# Altium PCB PCB1.PcbDoc (continued)
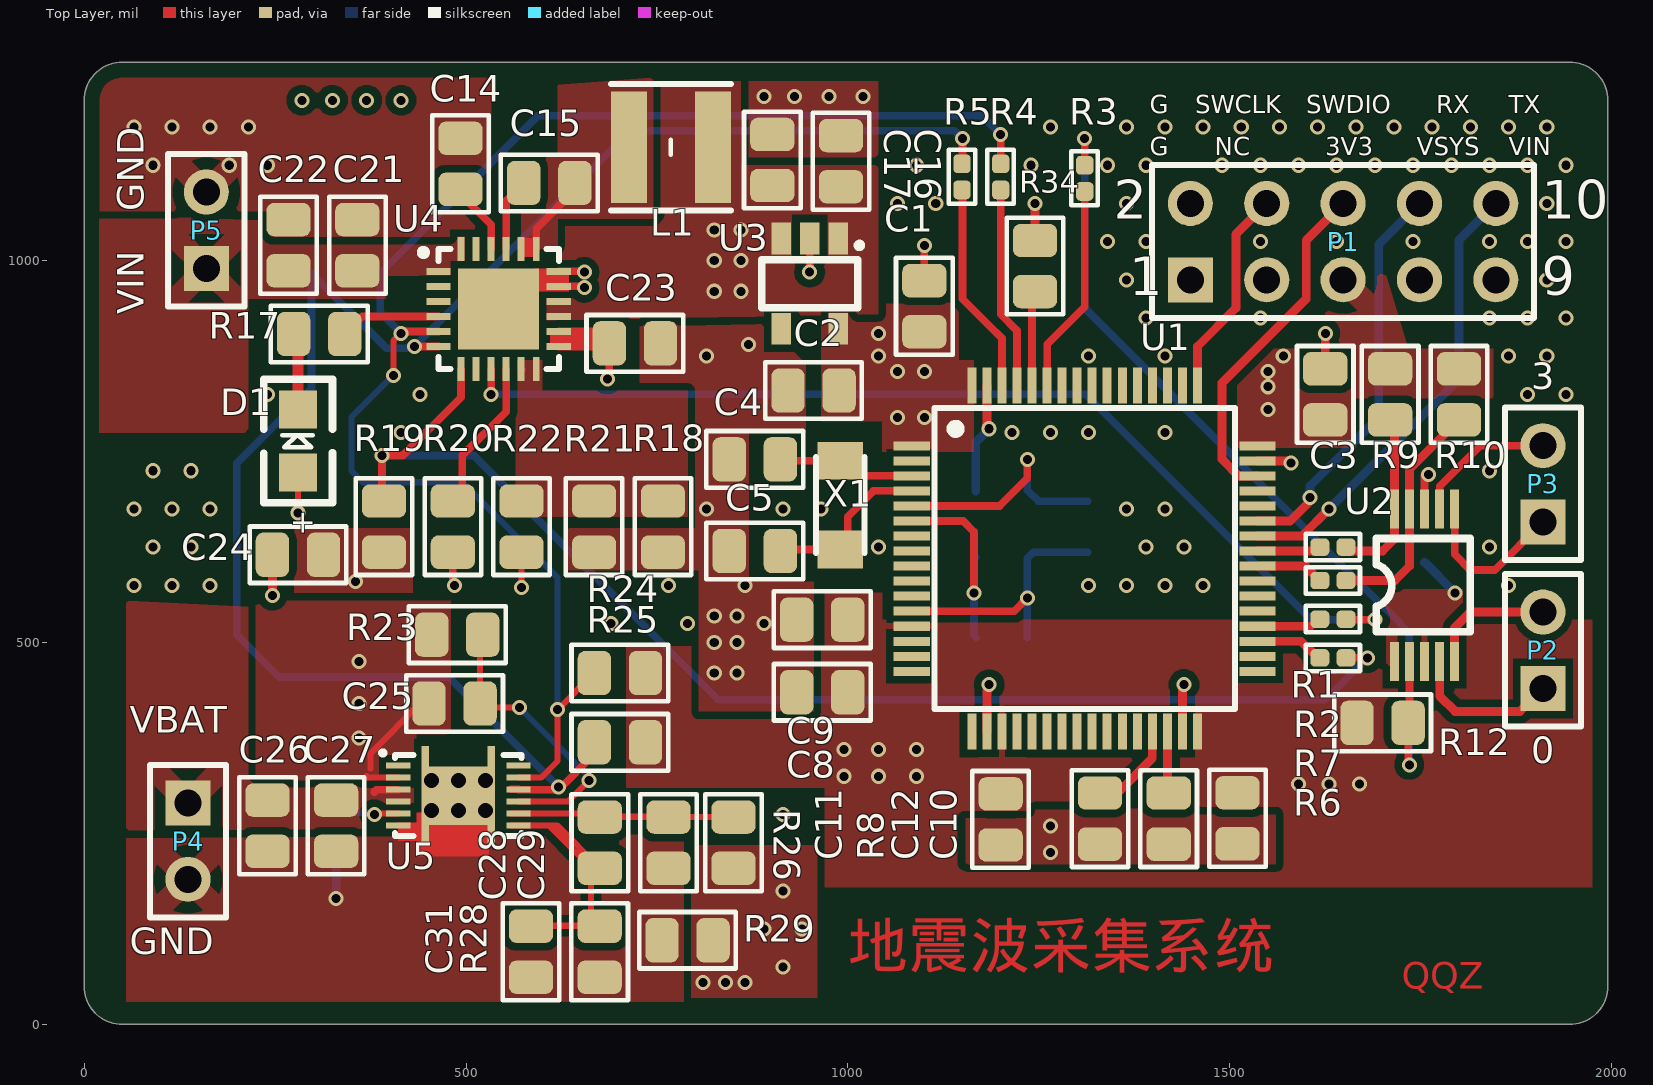
[diagram p0: Top Layer view]
## Components (designator, comment, footprint, x,y, rotation, side; value= is the part's Value field where it differs from the comment)
C1 "100nF" C0805_200X125X140L50N 1100.03,940.4 r270 top
C2 "100nF" C0805_200X125X140L50N 955,830.03 r0 top
C3 "100nF" C0805_200X125X140L50N 1625,825 r90 top
C4 "9pF" C0805_200X125X140L50N 878.17,740 r0 top
C5 "9pF" C0805_200X125X140L50N 878.17,620 r0 top
C6 "9pF" C0805_200X125X140L50N 1313.92,651.54 r90 bottom
C7 "9pF" C0805_200X125X140L50N 1201.54,506.42 r180 bottom
C8 "1uF" C0805_200X125X140L50N 966.4,434.97 r0 top
C9 "100nF" C0805_200X125X140L50N 966.4,529.97 r180 top
C10 "100nF" C0805_200X125X140L50N 1510.05,270 r90 top
C11 "100nF" C0805_200X125X140L50N 1200,268.46 r90 top
C12 "4.7uF" C0805_200X125X140L50N 1420.03,269.6 r90 top
C13 "100nF" C0805_200X125X140L50N 1755,638.46 r90 bottom
C14 "4.7uF" C0805_200X125X140L50N 492.7,1126.89 r270 top
C15 "47nF" C0805_200X125X140L50N 609.11,1101.89 r180 top
C16 "10uF" C0805_200X125X140L50N 991.03,1130.35 r270 top
C17 "10uF" C0805_200X125X140L50N 901,1131.89 r270 top
C20 "100nF" C0805_200X125X140L50N 337.7,1136.75 r0 bottom
C21 "10uF" C0805_200X125X140L50N 357.7,1020.35 r270 top
C22 "1uF" C0805_200X125X140L50N 267.68,1020.35 r270 top
C23 "10uF" C0805_200X125X140L50N 721.17,891.89 r180 top
C24 "100nF" C0805_200X125X140L50N 280,615 r0 top
C25 "470nF" C0805_200X125X140L50N 485,420.32 r180 top
C26 "100nF" C0805_200X125X140L50N 239.97,260.32 r90 top
C27 "100nF" C0805_200X125X140L50N 330,260.32 r90 top
C28 "100nF" C0805_200X125X140L50N 675.16,238.1 r90 top
C29 "100nF" C0805_200X125X140L50N 765.18,238.1 r90 top
C30 "470nF" C0805_200X125X140L50N 330,243.78 r90 bottom
C31 "100nF" C0805_200X125X140L50N 585,95.32 r90 top
D1 "LED" LED0805 280.2,722.7 r90 top
L1 "2.2uH功率电感4NR4018T2R2M" 4018 768.24,1148.49 r0 top
P1 "XH2.54 2x5" HDR2X5 1448.33,975 r0 top
P2 "排针/排母2P" HDR1X2 1910,440 r90 top
P3 "排针/排母2P" HDR1X2 1910,657.88 r90 top
P4 "排针/排母2P" HDR1X2 136.02,290 r270 top
P5 "排针/排母2P" HDR1X2 160,990 r90 top
R1 "0R" R0402_100X50X140L30N 1635,625 r0 top
R2 "0R" R0402_100X50X140L30N 1635,581.31 r0 top
R3 "0R" R0402_100X50X140L30N 1310,1107.87 r90 top
R4 "0R" R0402_100X50X140L30N 1200,1109.83 r90 top
R5 "0R" R0402_100X50X140L30N 1149.34,1109.83 r90 top
R6 "0R" R0402_100X50X140L30N 1635,480 r0 top
R7 "0R" R0402_100X50X140L30N 1635,530.66 r0 top
R8 "1k" R0805_200X125X140L50N 1330,269.6 r90 top
R9 "10k" R0805_200X125X140L50N 1710.03,825 r90 top
R10 "10k" R0805_200X125X140L50N 1800.05,825 r90 top
R12 "10k" R0805_200X125X140L50N 1700,395 r180 top
R15 "10k" R0805_200X125X140L50N 297.63,1016.89 r90 bottom
R16 "10k" R0805_200X125X140L50N 387.65,1016.89 r90 bottom
R17 "2.2k" R0805_200X125X140L50N 307.7,903.95 r0 top
R18 "10k" R0805_200X125X140L50N 757.73,651.89 r270 top
R19 "10k" R0805_200X125X140L50N 392.7,651.89 r270 top
R20 "0/200" R0805_200X125X140L50N 482.73,651.89 r270 top
R21 "31.6k" R0805_200X125X140L50N 667.7,651.89 r270 top
R22 "5.6k" R0805_200X125X140L50N 572.76,651.89 r270 top
R23 "10k" R0805_200X125X140L50N 488.46,510.34 r180 top
R24 "10k" R0805_200X125X140L50N 701.54,460.32 r0 top
R25 "10k" R0805_200X125X140L50N 701.54,369.5 r0 top
R26 "100R" R0805_200X125X140L50N 850.21,238.1 r90 top
R28 "100R" R0805_200X125X140L50N 675.03,95.32 r90 top
R29 "0.01R" R0805_200X125X140L50N 790,110.32 r180 top
R34 "100k" R0805_200X125X140L50N 1245,993.05 r90 top
U1 "STM32F401RCT6_LQFP64" "STM32F401RCT6 LQFP64" 1310,610 r270 top
U2 "ADS1115" VSSOP-10_L3.0-W3.0-P0.50-LS4.9-BL 1755,575 r0 top
U3 "TLV71330" SOT-23-5 950,970 r270 top
U4 "BQ24195" "BQ24195 PVQFN42" 542.7,936.89 r0 top
U5 "BQ27542" BQ27542-G1 490,299.68 r270 top
X1 "Seiko SC-32S32.768kHz20PPM9pF" "CRYSTAL SEIKO 32.768KHZ" 990,680 r90 top
X2 "8MHz 8pf 3225" "CRYSTAL YXC 32MHZ - 3225" 1201.83,655 r90 bottom

## Footprints (in the part's own frame and the unit in brackets; to place one, negate y for a bottom-side part, rotate by r counter-clockwise, add the part's x,y. Pads: shape width x height; smd on the part's side, far side on the other; paste and mask are expansions set on the pad)
4018 [mm] "功率电感Taiyo Yuden 4018 2.2nH 4*4*1.8mm"
  rect 1.2x3.7 smd: 1(-1.4,0) 2(1.4,0)
  silkscreen extent -2,-2.1 2,2.1
"BQ24195 PVQFN42" [mm] "TI Charger 4A 4*4mm"
  rect 2.7x2.7 smd: 0(0,0)
  rect 0.8x0.23 smd mask+0.07: 1(-2,1.25) 2(-2,0.75) 3(-2,0.25) 4(-2,-0.25) 5(-2,-0.75) 6(-2,-1.25) 13(2,-1.25) 14(2,-0.75) 15(2,-0.25) 16(2,0.25) 17(2,0.75) 18(2,1.25)
  rect 0.23x0.8 smd mask+0.07: 7(-1.25,-2) 8(-0.75,-2) 9(-0.25,-2) 10(0.25,-2) 11(0.75,-2) 12(1.25,-2) 19(1.25,2) 20(0.75,2) 21(0.25,2) 22(-0.25,2) 23(-0.75,2) 24(-1.25,2)
  silkscreen extent -2.59,-2 2,2
BQ27542-G1 [mm] "TI电量计"
  rect 0.675x0.25 smd mask+0.05: 0(-1.312,1.1) 0(-1.312,-1.1) 0(1.312,1.1) 0(1.312,-1.1)
  round 0.5 hole 0.5: 0(-0.5,0.9) 0(-0.5,0) 0(-0.5,-0.9) 0(0.5,0.9) 0(0.5,0) 0(0.5,-0.9)
  rect 1.95x2.45 smd mask+0.05: 0(0,0)
  rect 0.2x0.8 smd mask+0.05: 1(-1,-2) 2(-0.6,-2) 3(-0.2,-2) 4(0.2,-2) 5(0.6,-2) 6(1,-2) 7(1,2) 8(0.6,2) 9(0.2,2) 10(-0.2,2) 11(-0.6,2) 12(-1,2)
  silkscreen extent -1.45,-2.54 1.35,2.1
C0805_200X125X140L50N [mm] "Capacitor, Chip; 2.00 mm L X 1.25 mm W X 1.40 mm H body"
  rrect45% 1.11x1.47 smd: 1(-0.85,0) 2(0.85,0)
  silkscreen extent -1.61,-0.94 1.61,0.94, body extent -1.4,-0.62 1.4,0.63, height 0.8
"CRYSTAL SEIKO 32.768KHZ" [mm] "晶体 Seiko 32.768kHz 3.2*1.5mm 立创商城 7pF"
  rect 1.25x1.5 smd: 1(-1.475,0) 2(1.475,0)
  silkscreen extent -1.6,-0.8 1.6,0.8
"CRYSTAL YXC 32MHZ - 3225" [mm] "晶体 32MHZ 3.2*2.5mm 立创商城 10pF YSX321SL"
  rect 1.4x1.2 smd: 1(-1.1,-0.875) 2(1.1,-0.875) 3(1.1,0.875) 4(-1.1,0.875)
  silkscreen extent -2.38,-1.88 1.7,1.35
HDR1X2 [mm] "Connector; Header; 2 Position"
  rect 1.5x1.5 hole 0.9: 1(0,0)
  round 1.5 hole 0.9: 2(2.54,0)
  silkscreen extent -1.27,-1.27 3.81,1.27
HDR2X5 [mm] "Connector; Header; 5x2 Position"
  rect 1.5x1.5 hole 0.9: 1(0,0)
  round 1.5 hole 0.9: 2(0,2.54) 3(2.54,0) 4(2.54,2.54) 5(5.08,0) 6(5.08,2.54) 7(7.62,0) 8(7.62,2.54) 9(10.16,0) 10(10.16,2.54)
  silkscreen extent -1.27,-1.27 11.43,3.81
LED0805 [mil] "1/8W"
  rect 50x50 smd: 1(0,0) 2(82.3,0.2)
  silkscreen extent -40,-45 122,45, body extent 2,-25 80,25, height 20
R0402_100X50X140L30N [mm] "Resistor, Chip; 1.00 mm L X 0.50 mm W X 1.40 mm H body"
  rrect52% 0.63x0.58 smd: 1(-0.435,0) 2(0.435,0)
  silkscreen extent -0.9,-0.44 0.9,0.44, body extent -0.73,-0.25 0.73,0.25, height 0.51
R0805_200X125X140L50N [mm] "Resistor, Chip; 2.00 mm L X 1.25 mm W X 1.40 mm H body"
  rrect45% 1.11x1.47 smd: 1(-0.85,0) 2(0.85,0)
  silkscreen extent -1.61,-0.94 1.61,0.94, body extent -1.4,-0.62 1.4,0.63, height 0.8
SOT-23-5 [mm]
  rect 1.062x0.65 smd: 1(-1.5,0.95) 2(-1.5,0) 3(-1.5,-0.95) 4(1.5,-0.95) 5(1.5,0.95)
  silkscreen extent -1.33,-1.6 0.8,1.71
"STM32F401RCT6 LQFP64" [mm] "STM32F401RCT6 LQFP64 10*10mm"
  rect 0.3x1.2 smd: 1(-3.75,-5.75) 2(-3.25,-5.75) 3(-2.75,-5.75) 4(-2.25,-5.75) 5(-1.75,-5.75) 6(-1.25,-5.75) 7(-0.75,-5.75) 8(-0.25,-5.75) 9(0.25,-5.75) 10(0.75,-5.75) 11(1.25,-5.75) 12(1.75,-5.75) 13(2.25,-5.75) 14(2.75,-5.75) 15(3.25,-5.75) 16(3.75,-5.75) 33(3.75,5.75) 34(3.25,5.75) 35(2.75,5.75) 36(2.25,5.75) 37(1.75,5.75) 38(1.25,5.75) 39(0.75,5.75) 40(0.25,5.75) 41(-0.25,5.75) 42(-0.75,5.75) 43(-1.25,5.75) 44(-1.75,5.75) 45(-2.25,5.75) 46(-2.75,5.75) 47(-3.25,5.75) 48(-3.75,5.75)
  rect 1.2x0.3 smd: 17(5.75,-3.75) 18(5.75,-3.25) 19(5.75,-2.75) 20(5.75,-2.25) 21(5.75,-1.75) 22(5.75,-1.25) 23(5.75,-0.75) 24(5.75,-0.25) 25(5.75,0.25) 26(5.75,0.75) 27(5.75,1.25) 28(5.75,1.75) 29(5.75,2.25) 30(5.75,2.75) 31(5.75,3.25) 32(5.75,3.75) 49(-5.75,3.75) 50(-5.75,3.25) 51(-5.75,2.75) 52(-5.75,2.25) 53(-5.75,1.75) 54(-5.75,1.25) 55(-5.75,0.75) 56(-5.75,0.25) 57(-5.75,-0.25) 58(-5.75,-0.75) 59(-5.75,-1.25) 60(-5.75,-1.75) 61(-5.75,-2.25) 62(-5.75,-2.75) 63(-5.75,-3.25) 64(-5.75,-3.75)
  silkscreen extent -5,-5 5,5
VSSOP-10_L3.0-W3.0-P0.50-LS4.9-BL [mm]
  rect 0.3x1.3 smd: 1(-1,-2.534) 2(-0.5,-2.533) 3(0,-2.533) 4(0.5,-2.534) 5(1,-2.534) 6(1,2.532) 7(0.5,2.534) 8(0,2.533) 9(-0.5,2.532) 10(-1,2.532)
  silkscreen extent -1.6,-1.54 1.52,1.56

## Part data
C1 C2 C3 C4 C5 C6 C7 C8 C9 C10 C11 C12 C13 C14 C15 C16 C17 C20 C21 C22 C23 C24 C25 C26 C27 C28 C29 C30 C31: library part Cap0805, "0805 SMT MLCC Capacitor", Case/Package=C0805, Tolerance=10%, Voltage=50V, LatestRevisionDate=17-Jul-2002, LatestRevisionNote="Re-released for DXP Platform.", PackageDescription="Radial Cap, Thru-Hole; 2 Leads; 0.3 in Pin Spacing", PackageReference=RAD-0.3, ProductIndex=11, ProductType=Capacitors, Published=8-Jun-2000, Publisher="Altium Limited", Voltage Rating=50V
D1: "Typical RED, GREEN, YELLOW, AMBER GaAs LED", PackageDocument=Feb-2002, LatestRevisionDate=17-Jul-2002, LatestRevisionNote="Re-released for DXP Platform.", PackageReference=3.2X1.6X1.1, Published=8-Jun-2000, Publisher="Altium Limited", UnitPrice=0.05
L1: library part L, "电感", 创建=高鹏20160422
P1: library part "Header 5X2A", "Header, 5-Pin, Dual row", LatestRevisionDate=17-Jul-2002, LatestRevisionNote="Re-released for DXP Platform.", Publisher="Altium Limited"
P2 P3 P4 P5: library part "Header 2", "Header, 2-Pin", LatestRevisionDate=17-Jul-2002, LatestRevisionNote="Re-released for DXP Platform.", Publisher="Altium Limited"
R1 R2 R3 R4 R5 R6 R7: library part Res0402, "0402 SMT Resistor", Case/Package=R0402, Tolerance=1%, LatestRevisionDate=17-Jul-2002, LatestRevisionNote="Re-released for DXP Platform.", PackageDescription="Axial Device, Thru-Hole; 2 Leads; 0.3 in Pin Spacing", PackageReference=AXIAL-0.3, ProductIndex=10, ProductType=Resistors, Published=8-Jun-2000, Publisher="Altium Limited"
R8 R9 R10 R12 R15 R16 R17 R18 R19 R20 R21 R22 R23 R24 R25 R26 R28 R29 R34: library part Res0805, "0805 SMT Resistor", Case/Package=R0805, Tolerance=1%, LatestRevisionDate=17-Jul-2002, LatestRevisionNote="Re-released for DXP Platform.", PackageDescription="Axial Device, Thru-Hole; 2 Leads; 0.3 in Pin Spacing", PackageReference=AXIAL-0.3, ProductIndex=10, ProductType=Resistors, Published=8-Jun-2000, Publisher="Altium Limited"
U1: "STM32F401RCT6 LQFP64", 1创建=高鹏201709229, name="STM32F401RCT6 LQFP64", 型号说明="LQFP64 10*10mm"
U2: "ADS111x Ultra-Small, Low-Power, I / 2C-Compatible, 860-SPS, 16-Bit ADCs / With Internal Reference, Oscillator, and Programmable Comparator", Case/Package=SOP10, Manufacturer=TI, ComponentLink1Description=Datasheet, ComponentLink1URL=https://www.ti.com/lit/ds/symlink/ads1115.pdf, ProductIndex=0, ProductType="Integrated Circuits"
U3: "TLV713 Capacitor-Free, 150-mA, Low-Dropout Regulator / With Foldback Current Limit for Portable Devices", Case/Package=SOT-23, Manufacturer="Analog Devices", ProductIndex=0, ProductType="Integrated Circuits"
U4: "bq2419x I / 2C Controlled 4.5-A Single Cell USB/Adapter Charger / with Narrow VDC Power Path Management and USB OTG", Case/Package=QFN24, Manufacturer=TI, ComponentLink1Description=Datasheet, ComponentLink1URL=https://www.ti.com/lit/ds/symlink/bq24195.pdf, ProductIndex=0, ProductType="Integrated Circuits"
U5: "Single Cell Li-Ion Battery Fuel Gauge for Battery Pack Integration", Case/Package="非常见封装 FON?", Manufacturer=TI, ComponentLink1Description=Datasheet, ComponentLink1URL=https://www.ti.com/lit/ds/symlink/bq27541-v200.pdf, ProductIndex="Integrated Circuits", ProductType=0
X1: library part CrystalOscillator-2, "晶振-2脚", 创建=高鹏20160422
X2: library part CrystalOscillator-4, "晶振-4脚", 1创建=高鹏20171028, #name="8MHz 9pf"

## Via types
v1: diameter 19.68, hole 11.81, Top Layer to Bottom Layer, tented both sides, 190 vias

## Nets (pads, with @x,y where several pads share a name; then routed paths per layer and width w, separated by ;. In a path a pad name is that pad's centre, name@x,y a point inside that pad or via, vN(x,y) a via of type N, cw(c..) or ccw(c..) an arc to the next point about the centre after c; other vN are vias at no path point)
3.3V: C1.2 C2.2 C3.1 C8.2 C9.1 C10.2 C11.2 C13.2 C20.2 C24.2 P1.5 R9.2 R10.2 R12.2 R15.2 R16.2 R19.2 R24.2 R25.2 U1.1 U1.13 U1.19 U1.32 U1.48 U1.64 U2.8 U3.5 | length 102.4
  Top Layer w10: U2.8 1755,719.21 1755.79,720 v1(1760,720)
  Bottom Layer w10: C13.2 1755,719.21 1755.79,720 v1(1760,720)
  other v1: 1590,315 1630,315 1670,315 995,325 1040,325 1090,325 995,360 1040,360 1090,360 355,580 1065,795 1100,795 1550,805 1550,835 1065,855 1100,855 1550,855 1040,875 1570,875 1040,905 285,1210 325,1210 370,1210 415,1210
ADC_SCL: R1.2 R9.1 U2.10 | length 230.3
  Top Layer w11.55: R1.2 1657.13,620 1700,620 1715.63,635.63 U2.10 1715.63,785.93 R9.1
ADC_SDA: R2.2 R10.1 U2.9 | length 312
  Top Layer w11.55: R2.2@1649.25,581.31 1716.31,581.31 1735.32,600.31 U2.9 1735.32,726.8 R10.1
AIN0: P2.1 U2.4 | length 201.1
  Top Layer w11.55: U2.4 1775,474.93 1775,430 1795,410 1880,410 P2.1
AIN1: P2.2 U2.5 | length 168.3
  Top Layer w11.55: U2.5 1794.37,519.37 1815,540 P2.2
AIN2: P3.1 U2.6 | length 209.3
  Top Layer w10: U2.6 1794.37,615.63 1815,595 1847.12,595 P3.1
AIN3: P3.2 U2.7 | length 187.3
  Top Layer w10: U2.7 1774.68,704.69 1827.88,757.88 P3.2
BATTGND: C26.1 C27.1 C29.1 C30.1 C31.1 P4.2 R28.1 R29.2 U5.0 U5.6 | length 95.7
  Top Layer w8: U5.6 454.35,260.31 459.51,255.16
  Bottom Layer w11.55: v1(330,165) C30.1
CE: R7.2 U4.9 | length 1357.8
  Top Layer w10: v1(532.7,825) 535,825 532.86,827.14 U4.9 ; R7.2@1649.25,530.66 1649.91,530 R7.2@1652.78,530 ; R7.2 R7.2@1652.78,530 ; v1(1690,530) R7.2@1652.78,530
  Bottom Layer w10: v1(532.7,825) 1311.54,825 1606.54,530 v1(1690,530)
CHARGE_SCL: R4.2 R16.1 R24.1 U4.5 U5.11 | length 1989.1
  Top Layer w8: v1(405,850) 405,895 v1(415,905) ; U5.11 598.31,323.31 620,345 v1(620,412.24) R24.1
  Top Layer w10: v1(415,905) 417.36,907.36 U4.5 ; R4.2 v1(1200,1165)
  Bottom Layer w8: v1(405,850) 350,795 350,725 365,710 495,710 620,585 v1(620,412.24)
  Bottom Layer w10: v1(415,905) 387.65,932.35 R16.1 594.23,1190 1175,1190 v1(1200,1165)
CHARGE_SDA: R5.2 R15.1 R25.1 U4.6 U5.10 | length 2229.8
  Top Layer w10: v1(432.43,887.52) 432.43,887.57 432.33,887.67 U4.6 ; U5.10@558.74,307.87 U5.10@568.74,307.87 ; U5.10 v1@621.13,307.56 ; v1(621.13,310.65) v1@621.13,307.56 ; R25.1@668.07,354.5 v1@621.13,307.56 ; R5.2 1150,1127.61 v1(1150,1160)
  Bottom Layer w10: v1(621.13,310.65) 476.78,455 255,455 200,510 200,735 297.63,832.63 R15.1 395.89,885.16 406.78,885.16 423.22,885.16 425.58,887.52 v1(432.43,887.52) 714.91,1170 1140,1170 v1(1150,1160)
Comparator: R3.2 R12.1 U2.2 | length 1171.8
  Top Layer w10: R3.2 1315,1130 1310,1135 v1(1310,1160) ; v1(1735,340) 1733.46,341.54 R12.1 1735.32,396.85 U2.2
  Bottom Layer w10: v1(1310,1160) 1310,938.06 1698.22,549.84 1709.84,538.22 1735,513.06 v1(1735,340)
GND: C1.1 C2.1 C3.2 C4.1 C5.1 C6.1 C7.1 C8.1 C9.2 C10.1 C11.1 C12.1 C13.1 C14.1 C16.1 C17.1 C20.1 C21.1 C22.1 C23.1 C24.1 P1.1 P1.2 P5.2 R8.1 R18.2 R20.2 R21.2 R26.1 R29.1 R34.2 U1.12 U1.18 U1.31 U1.47 U1.63 U2.1 U2.3 U3.2 U4.0 U4.17 U4.18 X2.2 X2.4 | length 1068.6
  Top Layer w10: R20.2 482.73,577.27 v1(485,575) ; U4.17 653.35,966.41 v1(655,964.77) ; U4.18 653.9,986.1 v1(655,985) ; v1(950,985) U3.2 ; U1.12 1217.68,541.1 v1(1235,558.42) ; C1.1 v1(1100,1020)
  Top Layer w11.55: v1(246.54,561.54) C24.1 ; U1.18 1182.05,437.05 1185,440 v1(1185,444.84) ; U1.63 1182.05,782.95 v1(1185,780) ; R34.2 v1(1245,1075) ; U1.31 1437.95,442.95 v1(1440,445) ; U1.47 1577.05,737.95 v1(1580,735) ; C3.2 v1(1625,905)
  Bottom Layer w10: C7.1 v1(1235,558.42) 1235,610.41 X2.4 1242.66,618.07 C6.1
  Bottom Layer w11.55: X2.2 1167.38,762.38 v1(1185,780) ; C13.1 v1(1795,565)
  other v1: 810,55 840,55 865,55 915,75 890,125 940,125 915,175 1265,225 1265,260 915,275 825,460 855,460 825,500 855,500 690,525 790,525 890,525 825,535 855,535 65,575 115,575 165,575 765,575 865,575 1315,575 1365,575 1415,575 1465,575 1865,575 90,625 140,625 1040,625 1390,625 1440,625 1840,625 65,675 115,675 165,675 815,675 915,675 965,675 1365,675 1415,675 90,725 140,725 1840,725 415,775 1215,775 1265,775 1315,775 1415,775 240,825 440,825 1890,825 1940,825 815,875 1315,875 1415,875 1865,875 1915,875 870,890 1390,925 1540,925 1840,925 1890,925 1940,925 1365,975 1915,975 1340,1025 1390,1025 1540,1025 1640,1025 1740,1025 1840,1025 1890,1025 1940,1025 1065,1075 1115,1075 1365,1075 1915,1075 90,1125 190,1125 240,1125 1090,1125 1240,1125 1340,1125 1390,1125 1490,1125 1540,1125 1590,1125 1640,1125 1690,1125 1740,1125 1790,1125 1840,1125 1890,1125 1940,1125 65,1175 115,1175 165,1175 215,1175 1265,1175 1365,1175 1415,1175 1465,1175 1515,1175 1565,1175 1615,1175 1665,1175 1715,1175 1765,1175 1815,1175 1865,1175 1915,1175 890,1215 930,1215 975,1215 1020,1215
INT: R6.2 R19.1 U4.7 | length 1708.9
  Top Layer w10: R19.1 390,688.05 v1(390,745) 417.3,745 493.49,821.19 U4.7 ; R6.2@1649.25,480 v1(1680,480)
  Bottom Layer w10: v1(390,745) 510,745 830,425 1625,425 v1(1680,480)
NetC4_2: C4.2 U1.3 X1.2 | length 181
  Top Layer w10: C4.2 913.56,738.07 X1.2 1009.8,718.27 U1.3
NetC5_2: C5.2 U1.4 X1.1 | length 223.9
  Top Layer w10: C5.2 913.56,621.93 X1.1 1000,631.93 1000,665 1033.58,698.58 U1.4
NetC6_2: C6.2 U1.5 X2.3 | length 316.7
  Top Layer w10: U1.5 1198.9,678.9 1235,715 v1(1235,740)
  Bottom Layer w10: v1(1235,740) 1235,699.59 X2.3 1249.59,685 C6.2
NetC7_2: C7.2 U1.6 X2.1 | length 274.8
  Top Layer w10: U1.6 1150.79,659.21 1165,645 v1(1165,565)
  Bottom Layer w10: X2.1 1165,609.31 v1(1165,565) 1165,509.49 C7.2
NetC12_2: C12.2 U1.30 | length 81.3
  Top Layer w11.55: U1.30 1418.27,304.83 C12.2
NetC14_2: C14.2 U4.22 | length 94.4
  Top Layer w10: C14.2 492.7,1087.3 532.86,1047.14 U4.22
NetC15_1: C15.1 L1.1 U4.19 U4.20 | length 107.2
  Top Layer w10: U4.19 591.92,1041.92 642.57,1092.57 C15.1
NetC15_2: C15.2 U4.21 | length 95.8
  Top Layer w10: U4.21 552.55,1078.79 C15.2
NetC25_1: C25.1 R23.1 U5.9 | length 385.5
  Top Layer w8: R23.1 518.46,506.88 C25.1 523.78,415 v1(570,415) ; U5.9 633.44,291.81 v1(660.82,319.18) 660,320 v1@657.66,320
  Bottom Layer w8: v1(570,415) 660,325 660,320 v1(660.82,319.18)
NetC28_1: C28.1 C31.2 R28.2 U5.7 | length 384
  Top Layer w8: U5.7@558.74,260.63 608.12,260.63 ; C31.2@573.46,129.28 663.49,129.28 663.62,129.41 663.62,205.13 608.12,260.63 ; C28.1 619.16,260.63 608.12,260.63
NetC28_2: C28.2 C29.2 R26.2 U5.8 | length 282.4
  Top Layer w8: U5.8@558.74,276.38 670.34,276.38 C28.2@674.66,272.06 ; C28.2 C28.2@674.66,272.06 ; C29.2@753.65,272.06 C28.2@674.66,272.06 ; C29.2 R26.2
NetD1_2: D1.2 R17.1 | length 101.3
  Top Layer w15: R17.1 280,898.19 D1.2
NetR8_2: R8.2 U1.29 | length 122.5
  Top Layer w11.55: R8.2 1353.07,303.07 1398.58,348.58 U1.29
NetR17_2: R17.2 U4.4 | length 132.4
  Top Layer w10: R17.2 364.26,927.04 U4.4
NetR18_1: R18.1 R21.1 R22.1 U4.11 U4.12 | length 0.7
  Top Layer w10: U4.11 U4.11@572.76,857.62
NetR20_1: R20.1 U4.10 | length 201.7
  Top Layer w10: R20.1 495,697.62 495,745 552.55,802.55 U4.10
NetR34_1: R34.1 U1.60 | length 124.8
  Top Layer w10: U1.60 1241.1,955.68 R34.1
PB7: R3.1 U1.59 | length 274.8
  Top Layer w10: U1.59 1260.79,890.79 1310,940 R3.1
PB14: R6.1 U1.35 | length 87.6
  Top Layer w11.55: U1.35 1593.27,501.73 R6.1@1615,480
PB15: R7.1 U1.36 | length 82.4
  Top Layer w10: 1605.76,521.42 R7.1@1615,530.66
  Top Layer w11.55: U1.36 1605.76,521.42
REGN: D1.1 R22.2 | length 99
  Top Layer w8: v1(280,670) 280.2,670.2 D1.1 ; v1(572.76,572.24) R22.2
RX: P1.8 U1.43 | length 528.7
  Top Layer w11.55: U1.43 1579.21,659.21 1605,685 v1(1605,690)
  Bottom Layer w11.55: v1(1605,690) 1605,705 1695,795 1695,1021.67 P1.8
SCL1: R4.1 U1.61 | length 265.2
  Top Layer w10: R4.1 1200,930 1221.42,908.58 U1.61
SCL2: R1.1 U1.41 | length 83.6
  Top Layer w11.55: U1.41 1612.72,619.84 R1.1
SDA1: R5.1 U1.62 | length 278
  Top Layer w10: R5.1 1150,1092.05 1150,950 1185,915 1201.73,898.27 U1.62
SDA2: R2.1 U1.40 | length 89.3
  Top Layer w11.55: U1.40 1599.03,600.16 R2.1
SWCLK: P1.4 U1.49 | length 276.2
  Top Layer w11.55: U1.49 1457.64,887.64 1508.03,938.03 1508.03,958.31 1508.03,991.69 1508.03,1034.7 P1.4
SWDIO: P1.6 U1.46 | length 456.2
  Top Layer w11.55: U1.46 1511.73,718.27 1508.73,721.27 1508.29,721.27 1501.98,727.58 1501.98,728.02 1490,740 1490,840 1600,950 1600,969.67 1600,995 1600,1026.67 P1.6
TX: P1.10 U1.42 | length 598.8
  Top Layer w11.55: U1.42 1594.53,639.53 v1(1630,675)
  Bottom Layer w11.55: v1(1630,675) 1800,845 1800,1026.67 P1.10
VBAT: C23.2 C26.2 C27.2 P4.1 U4.13 U4.14 U5.3 U5.4 | length 223.3
  Top Layer w10: 380,304.46 380,305 382.56,307.56 U5.3 ; U4.13 683.49,887.67 C23.2 ; U4.14 672.23,907.36 C23.2 ; v1(685,844.84) 687.7,844.84 C23.2
VCC: C25.2 C30.2 R23.2 U5.2 U5.5 | length 248.2
  Top Layer w8: 370,325 371.69,323.31 U5.2 ; 375,335 375,355 440.31,420.32 C25.2 ; v1(380,275) 381.06,276.06 U5.5
  Bottom Layer w8: C30.2 377.76,277.24 v1(380,275)
  other v1: 360,375 360,420 360,475
Vin: C21.2 C22.2 P1.9 P5.1 U4.1 U4.24
Vsys: C16.2 C17.2 L1.2 P1.7 U3.1 U3.3 U4.15 U4.16
  other v1: 825,960 860,960 825,1000 860,1000 825,1040 860,1040
pads on no net: P1.3 U1.2 U1.7 U1.8 U1.9 U1.10 U1.11 U1.14 U1.15 U1.16 U1.17 U1.20 U1.21 U1.22 U1.23 U1.24 U1.25 U1.26 U1.27 U1.28 U1.33 U1.34 U1.37 U1.38 U1.39 U1.44 U1.45 U1.50 U1.51 U1.52 U1.53 U1.54 U1.55 U1.56 U1.57 U1.58 U3.4 U4.2 U4.3 U4.8 U4.23 U5.1 U5.12

## Polygon pours and split planes (outlines as drawn)
Vin on Top Layer "Top Layer-Vin" (solid, remove dead copper, pour order 40): 395,980 505,980 505,1043.83 20,1060 20,775.04 210,775.04 215,780.04 215,950 395,950
3.3V on Top Layer "NONET_L01_P-001" (solid, remove dead copper, pour order 24): 275,650 275,555 430,555 430,650
VCC on Top Layer "NONET_L01_P-001" (solid, remove dead copper, pour order 31): 225,555 225,320 430,320 435,315 435,380 475,380 480,385 480,555
3.3V on Top Layer "NONET_L01_P-001" (solid, remove dead copper, pour order 35): 710,495 710,310 1005,310 1000,315 1000,495
VBAT on Top Layer "NONET_L01_P-001" (solid, remove dead copper, pour order 32): 55,554.98 55,215 409.47,215 450,255.53 450,534.98
BATTGND on Top Layer "NONET_L01_P-001" (solid, remove dead copper, pour order 30): 430,340 435,335 435,220 530,220 530,335
BATTGND on Top Layer "NONET_L01_P-001" (solid, remove dead copper, pour order 28): 55,243.97 55,30 785,30 785,248.97
GND on Top Layer "NONET_L01_P-001" (solid, remove dead copper, pour order 27): 1705,570 1705,470 1804.68,470 1804.68,570
3.3V on Top Layer "NONET_L01_P-001" (solid, remove dead copper, pour order 26): 1625,1015 1625,881.73 1733.27,881.73 1735,880 1705,980
3.3V on Top Layer "NONET_L01_P-001" (solid, remove dead copper, pour order 25): 1505,885 1510,880 1510,755 1665,755 1665,820 1850,820 1845,825 1845,885
GND on Top Layer "NONET_L01_P-001" (solid, remove dead copper, pour order 23): -70,1263.33 -70,1065 244.67,1065 244.67,1031.38 532.86,1031.38 532.86,1273.38
GND on Top Layer "NONET_L01_P-001" (solid, remove dead copper, pour order 22): 860,1235 860,1125 1038.47,1125 1040,1123.47 1040,1235
GND on Top Layer "NONET_L01_P-001" (solid, remove dead copper, pour order 21): 727.48,924.04 727.48,832.52 730,830 790,830 790,775 945,775 945,865 884.94,925.06 781.1,925.06
GND on Top Layer "NONET_L01_P-001" (solid, remove dead copper, pour order 20): 800,785 800,620 867.5,620 870,617.5 870,785
GND on Top Layer "NONET_L01_P-001" (solid, remove dead copper, pour order 19): 805,650 805,410 955,410 955,580 875,580 870,585 870,650
GND on Top Layer "NONET_L01_P-001" (solid, remove dead copper, pour order 18): 635,650 630,645 630,595 875,595 870,600 870,650
GND on Top Layer "NONET_L01_P-001" (solid, remove dead copper, pour order 17): 795,235 795,35 960,35 960,235
3.3V on Top Layer "Top Layer-3.3V" (solid, remove dead copper, pour order 16): 964.6,941.85 965,941.45 965,790 1045,790 1045,750 1165,750 1165,870 1145,870 1145,945
Vsys on Top Layer "Top Layer-Vsys" (solid, remove dead copper, pour order 12): 605,920 655,920 655,922.65 1040,930 1040,955 1040,1130 1035,1125 860,1125 860,1235 745,1235 745,1055 605,1055 605,948.31 498.5,922.65 605,922.65
3.3V on Top Layer "NONET_L01_P-001" (solid, remove dead copper, pour order 8): 970,565 970,180 2020,180 2020,530 1045,530 1045,565
GND on Top Layer "NONET_L01_P-001" (solid, remove dead copper, pour order 7): 1154.21,280 1154.21,205.79 1155,205 1160,210 1560,210 1560,285
3.3V on Top Layer "NONET_L01_P-001" (solid, remove dead copper, pour order 6): 1190,410 1210,410 1227.5,357.5 1240,340 1210,340 1235,340 1235,280 1150,280
3.3V on Top Layer "NONET_L01_P-001" (solid, remove dead copper, pour order 5): 1455,285 1695,285 1695,425 1455,425
NetR18_1 on Top Layer "NONET_L01_P-001" (solid, remove dead copper, pour order 3): 565,870 565,665 790,665 790,830 600,830 600,870
NetC15_1 on Top Layer "NONET_L01_P-001" (solid, remove dead copper, pour order 2): 620,1140 620,1020 624.37,1015.63 572.23,1015.63 572.23,1062.23 575,1065 605,1065 605,1140
NetC15_1 on Top Layer "NONET_L01_P-001" (solid, remove dead copper, pour order 1): 615,1230 620,1225 620,1055 745,1055 750,1060 745,1065 745,1240
GND on Bottom Layer "NONET_L01_P-001" (solid, remove dead copper, pour order 41): -175,1490 -175,-190 -130,-235 -60,-165 2295,-165 2295,1445 2155,1585
BATTGND on Bottom Layer "NONET_L01_P-001" (solid, remove dead copper, pour order 38): 55,30 785,30 765,50 765,370 60,370 55,375
GND on Bottom Layer "NONET_L01_P-001" (solid, remove dead copper, pour order 37): 94.39,1190.61 94.39,1025 370,1025 334.39,1060.61 334.39,1180.61
3.3V on Bottom Layer "NONET_L01_P-001" (solid, remove dead copper, pour order 36): 255,1230 255,1015 430,1015 430,1230
REGN on Bottom Layer "NONET_L01_P-001" (solid, remove dead copper, pour order 33): 215,765 215,525 610,525 610,765
3.3V on Int2 (PWR) (split plane): 1949.69,1239.62 1954.27,1238.52 1958.62,1236.72 1962.63,1234.26 1966.21,1231.21 1969.26,1227.63 1971.72,1223.62 1973.52,1219.27 1974.62,1214.69 1974.95,1210.5 1974.9,1210 1974.9,50 1974.95,49.5 1974.62,45.31 1973.52,40.73 1971.72,36.38 1969.26,32.37 1966.21,28.79 1962.63,25.74 1958.62,23.28 1954.27,21.48 1949.69,20.38 1945.5,20.05 1945,20.1 50,20.1 49.5,20.05 45.31,20.38 40.73,21.48 36.38,23.28 32.37,25.74 28.79,28.79 25.74,32.37 23.28,36.38 21.48,40.73 20.38,45.31 20.05,49.5 20.1,50 20.1,1210 20.05,1210.5 20.38,1214.69 21.48,1219.27 23.28,1223.62 25.74,1227.63 28.79,1231.21 32.37,1234.26 36.38,1236.72 40.73,1238.52 45.31,1239.62 49.5,1239.95 50,1239.9 1945,1239.9 1945.5,1239.95
VBAT on Int2 (PWR) (split plane): 725.02,906.01 726.36,903.49 727.19,900.77 727.46,897.99 727.45,897.93 727.45,817.55 330,817.55 329.02,817.35 328.2,816.8 327.65,815.98 327.45,815 327.45,335 327.45,252.55 47.55,252.55 47.55,865 47.55,907.45 723.83,907.45
VCC on Int2 (PWR) (split plane): 477.45,252.55 332.55,252.55 332.55,335 332.55,557.45 477.45,557.45
Vsys on Int2 (PWR) (split plane): 892.45,1010 892.65,1009.02 893.2,1008.2 894.02,1007.65 895,1007.45 1804.95,1007.45 1804.95,922.55 777.55,922.55 777.55,1067.45 892.45,1067.45
Vin on Int2 (PWR) (split plane): 1897.45,922.55 1810.05,922.55 1810.05,1010 1809.85,1010.98 1809.3,1011.8 1808.48,1012.35 1807.5,1012.55 897.55,1012.55 897.55,1070 897.35,1070.98 896.8,1071.8 895.98,1072.35 895,1072.55 775,1072.55 774.02,1072.35 773.2,1071.8 772.65,1070.98 772.45,1070 772.45,922.55 735,922.55 734.02,922.35 733.2,921.8 723.94,912.55 47.55,912.55 47.55,1032.45 95,1032.45 95.98,1032.65 96.8,1033.2 97.35,1034.02 97.55,1035 97.35,1035.98 96.8,1036.8 95.98,1037.35 95,1037.55 47.55,1037.55 47.55,1187.45 1897.45,1187.45
GND on Int1 (GND) (split plane): 1949.69,1239.62 1954.27,1238.52 1958.62,1236.72 1962.63,1234.26 1966.21,1231.21 1969.26,1227.63 1971.72,1223.62 1973.52,1219.27 1974.62,1214.69 1974.95,1210.5 1974.9,1210 1974.9,50 1974.95,49.5 1974.62,45.31 1973.52,40.73 1971.72,36.38 1969.26,32.37 1966.21,28.79 1962.63,25.74 1958.62,23.28 1954.27,21.48 1949.69,20.38 1945.5,20.05 1945,20.1 50,20.1 49.5,20.05 45.31,20.38 40.73,21.48 36.38,23.28 32.37,25.74 28.79,28.79 25.74,32.37 23.28,36.38 21.48,40.73 20.38,45.31 20.05,49.5 20.1,50 20.1,1210 20.05,1210.5 20.38,1214.69 21.48,1219.27 23.28,1223.62 25.74,1227.63 28.79,1231.21 32.37,1234.26 36.38,1236.72 40.73,1238.52 45.31,1239.62 49.5,1239.95 50,1239.9 1945,1239.9 1945.5,1239.95

## Other copper
Top Layer:
  rectangle net BATTGND: 411.26,240 450,260.31
  rectangle net BATTGND: 435,220 530,277.5
  rectangle net NetC15_1: 570,1005 591.92,1030
  rectangle net VBAT: 610,891.89 687.7,907.36
  rectangle net GND: 590,960 635,990
  text "地震波采集系统" at 1000,55 h100
  text "QQZ" at 1725,35 h60
Int2 (PWR) (plane layer: these items are gaps in the copper):
  lines w5: 45,910 110,910 725,910 ; 92.5,1035 45,1035 ; 95,1035 45,1035 ; 330,560 480,560 480,250 330,250 ; 45,1035 45,1190 1900,1190 1900,920 735,920 725,910 ; 45,1035 45,865 45,250 330,250 ; 330,250 330,335 330,815 730,815 730,897.93 ccw(c712.93,897.93) 725,910 ; 775,920 1807.5,920 1807.5,1010 1785,1010 895,1010 895,1070 775,1070 775,920

## Silkscreen, mask and mechanical layers (free items; w line width, h text height)
Top Overlay:
  text "G" at 1395,1185 h40
  text "SWCLK" at 1455,1185 h40
  text "SWDIO" at 1600,1185 h40
  text "RX" at 1770,1185 h40
  text "TX" at 1865,1185 h40
  text "G" at 1395,1130 h40
  text "NC" at 1480,1130 h40
  text "3V3" at 1625,1130 h40
  text "VSYS" at 1745,1130 h40
  text "VIN" at 1865,1130 h40
  text "GND" at 90,1065 h60 r90
  text "VIN" at 90,930 h60 r90
  text "3" at 1895,820 h60
  text "VBAT" at 60,370 h60
  text "0" at 1895,330 h60
  text "GND" at 60,80 h60
Bottom Overlay:
  drawing of 30 lines, arcs and shapes, not listed
Top Solder:
  rectangle: 985,30 1950,170
Board Shape:
  lines w5: 0,50 ccw(c50,50) 50,0 1945,0 ccw(c1945,50) 1995,50 1995,1210 ccw(c1945,1210) 1945,1260 50,1260 ccw(c50,1210) 0,1210 0,1115 0,50
Top Designator (Mech11):
  circle w50: c1140,780 r7.07
  circle w1: c1165,700 r7.07
  lines w5: 1690,527.07 ccw(c1707.07,527.07) 1695,515 1815,515 1815,635 1695,635 ccw(c1695,630) 1690,630 1690,612.07 ccw(c1707.07,612.07) 1695,600 1699.39,595.61 cw(c1673.79,570) 1710,570 cw(c1697.93,570) 1706.46,561.46 1698.54,553.54 cw(c1690,562.07) 1690,550 1690,527.07
  text "L1" at 735,1135 h60
  text "P1" at 1865,1015 h60
  text "U3" at 910,940 h60
  text "U4" at 505,915 h60
  text "D1" at 255,765 h60 r270
  text "+" at 225,675 h60
  text "X1" at 965,665 h60
  text "U1" at 1270,605 h60
  text "U2" at 1720,555 h60
  text "U5" at 425,240 h60
Bottom Designator (Mech12):
  text "X2" at 1230,630 h60

## Text inside footprints (layer, text, board x,y; h text height)
D1: Top Overlay "+" at 299.2,673.7 h30 r90
P1: Top Overlay "2" at 1348.33,1055 h50; Top Overlay "1" at 1368.33,955 h50; Top Overlay "9" at 1908.33,955 h50; Top Overlay "10" at 1908.33,1055 h50